# Altium PCB LimeSDR-Micro_M.2_2280_1v1.PcbDoc (part 7 of 7) (continued)
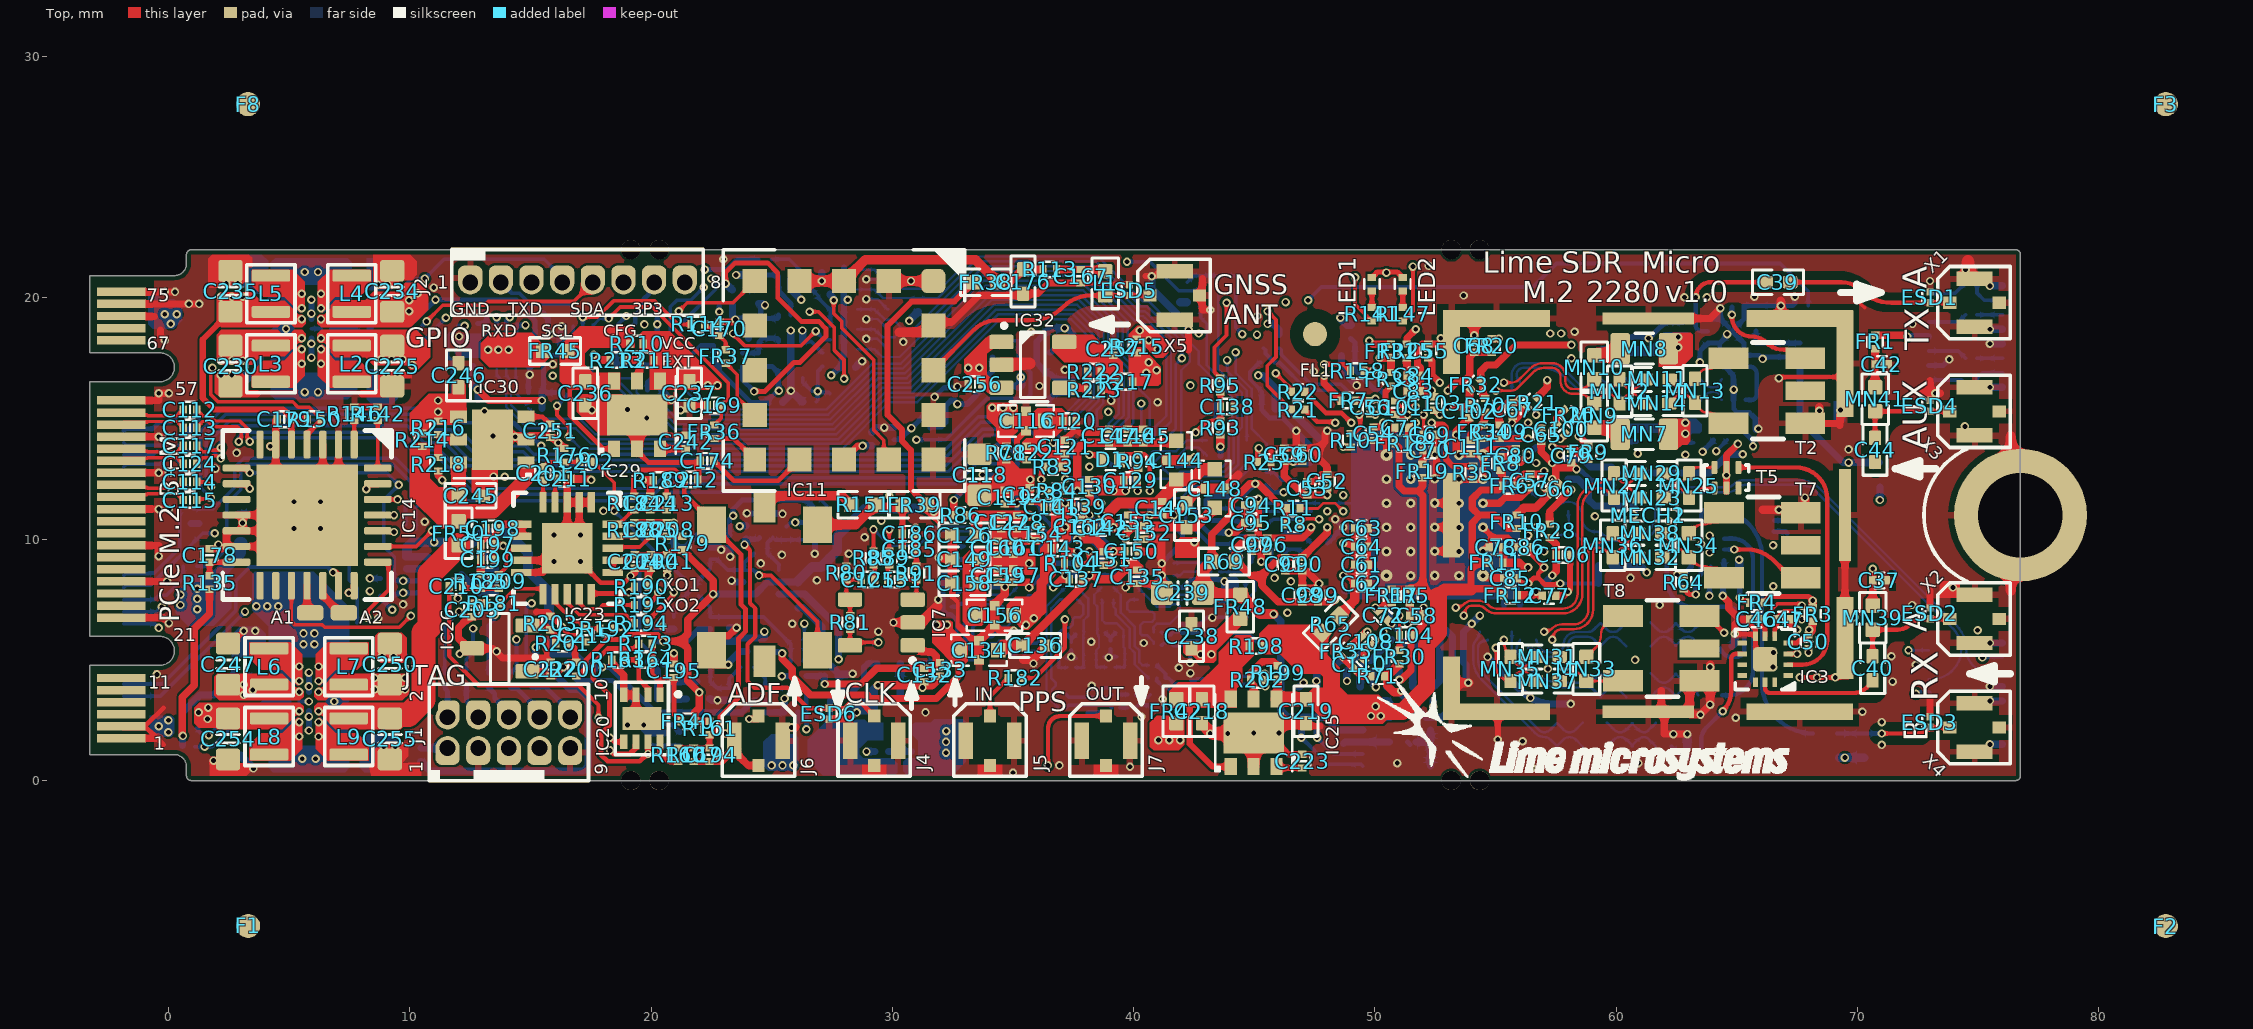
[diagram p0: Top view]
## Other copper (continued)
  pour cut-out: 56.816,2.65 56.935,2.53 ccw(c57.25,2.845) 57.25,2.4 57.56,2.4 57.563,2.403 57.563,1.403 57.25,1.403 cw(c57.25,3.184) 55.991,1.925
  pour cut-out: 59.209,3.45 57.745,3.45 cw(c57.745,5.755) 56.116,4.125 55.815,4.426 cw(c56.839,5.45) 55.391,5.45 55.391,6.375 56.427,6.375 56.427,5.121 56.898,4.65 59.209,4.65
  pour cut-out: 53.771,4.672 ccw(c55.044,4.672) 54.144,3.772 55.991,1.925 ccw(c56.594,2.529) 56.594,1.675 56.816,1.675 56.816,2.65 54.678,4.788 cw(c55.19,5.3) 54.466,5.3 53.771,5.3
  pour cut-out: 55.341,16.075 55.341,16.95 cw(c56.066,16.95) 56.066,17.675 57.302,17.675 cw(c57.302,16.736) 57.966,17.4 ccw(c58.931,18.366) 58.931,17 58.966,17 58.966,15.4 cw(c58.966,16.064) 58.496,15.594 57.386,16.704 ccw(c57.216,16.534) 57.216,16.775 56.841,16.775 ccw(c56.841,16.425) 56.491,16.425 56.491,16.075
  pour cut-out: 57.32,1.024 63.32,1.024 63.32,2.774 57.32,2.774
  pour cut-out: 59.125,3.075 65.125,3.075 65.125,4.825 59.125,4.825
  pour cut-out: 59.125,5.175 65.125,5.175 65.125,7.1 59.125,7.1
  pour cut-out: -3.25,20.925 -3.25,17.725 -0.575,17.725 -0.575,20.925
  pour cut-out: -3.25,16.525 -3.25,5.975 -0.575,5.975 -0.575,16.525
  pour cut-out: -3.25,1.075 -3.25,4.775 -0.575,4.775 -0.575,1.075
  region net GND: 8.125,0.35 9.35,0.35 9.6,0.6 9.6,1.625 9.3,1.925 8.15,1.925 7.939,1.714 7.939,0.536
  region net GND: 9.273,15.593 8.432,15.593 8.225,15.8 8.225,17 8.277,17.052 9.277,17.052 9.453,16.875 9.5,16.875 9.5,15.82
  region net GND: 3.031,20.45 3.238,20.45 3.518,20.17 4.142,20.17 4.142,21.533 3.879,21.796 3.479,21.796 3.031,21.348
  region net GND: 3.811,20.45 2.25,20.45 2.1,20.6 2.1,21.401 2.495,21.796 3.479,21.796 3.811,21.464
  region net GND: 8.225,20.45 8.35,20.325 9.225,20.325 9.425,20.525 9.425,21.525 9.3,21.65 8.225,21.65
  region net GND: 7.35,3.975 7.225,3.85 6.575,3.85 6.525,3.8 6.525,3.2 6.625,3.1 7.315,3.1 7.5,3.285 7.5,3.85 7.375,3.975
  region net GND: 4.4,18.025 4.525,18.15 5.175,18.15 5.225,18.2 5.225,18.8 5.125,18.9 4.5,18.9 4.25,18.65 4.25,18.15 4.375,18.025
  region net GND: 4.406,18.034
  region: 5.125,18.325
  region net GND: 2.625,6.05 2.95,6.375 3.75,6.375 4.042,6.083 4.042,5 3.711,5 3.611,5.1 2.625,5.1
  region net GND: 29.4,2.6 29.25,2.75 28.175,2.75 28.175,3.35 28.575,3.35 29.175,3.95 29.4,3.95
  region: 29.75,2.575
  region net VCC_EXT: 3.475,7.05 4.15,6.375 4.15,5.9 7.5,5.9 7.5,7.175 6.025,8.65 3.575,8.65 3.475,8.55
  region net VCC3P3_M.2: 2.6,7.15 1.875,6.425 0.8,6.425 0.3,6.925 0.3,7.775 1.075,8.55 2.3,8.55 2.6,8.25
  region net VCC3P3_M.2: -0.825,20.175 -0.5,20.175 -0.275,19.95 0.25,19.95 0.575,19.625 0.575,19.075 0.225,18.725 -0.65,18.725 -0.825,18.9
  region net VCC3P3_M.2: -0.775,2.675 0.15,2.675 0.25,2.575 0.25,1.95 0.125,1.825 -0.775,1.825
  region net NetC227_2: 26.5,1.425 26.5,0.85 27.125,0.225 30.1,0.225 30.2,0.325 30.2,0.725 30,0.925 28.8,0.925 28.637,1.088 28.637,1.337 28.55,1.425
  region net VCC1P4_LMS: 31.6,2.4 31.746,2.546 32.936,2.546 33.05,2.432 33.05,0.775 32.5,0.225 30.6,0.225 30.45,0.375 30.45,0.775 30.6,0.925 31.025,0.925 31.075,0.975 31.075,1.65 30.85,1.875 30.85,2.325 30.925,2.4
  region net VCC1P75: 26.1,1.775 25.95,1.925 24.975,1.925 24.65,1.6 24.65,0.6 24.85,0.4 25.975,0.4 26.1,0.525
  region net VCC_EXT: 6.525,2.55 6.525,2.925 6.575,2.975 7.525,2.975 7.775,2.725 7.775,2.15 7.475,1.85 7.225,1.85
  region net VCC_EXT: 7.6,17.725 7.825,17.5 7.825,16.2 7.6,15.975 6.975,16.6 6.975,17.1
  region net VCC_EXT: 5.225,19.45 5.225,19.075 5.175,19.025 4.225,19.025 3.975,19.275 3.975,19.85 4.275,20.15 4.525,20.15
  region net VCC_EXT: 5.125,5 5.225,5.1 5.225,6.05 5.075,6.2 4.325,6.2 4.15,6.025 4.15,4.275 4.475,3.95 5.075,3.95 5.125,4
  region net VCC_EXT: 6.425,5.1 4.825,5.1 4.325,5.6 4.325,6.2 6.425,6.2
  region net NetC227_2: 29.625,1.675 28.975,1.675 28.3,1 26.575,1 26.5,1.075 26.5,1.7 27.325,2.525 28.85,2.525 28.975,2.4 29.625,2.4
  region net VCC1P4_LMS: 31.275,2.05
  region net VCC_EXT: 5.55,6.2 6.575,6.2 6.575,5.725 6.425,5.575 6.425,5.1 5.55,5.1
  region net VCC_EXT: 6.1,0.35 5.075,0.35 5.075,0.825 5.225,0.975 5.225,1.45 6.1,1.45
  region net VCC_EXT: 5.55,0.35 6.575,0.35 6.575,0.825 6.425,0.975 6.425,1.45 5.55,1.45
  region net VCC_EXT: 5.125,1.55 5.225,1.45 5.225,0.5 5.075,0.35 4.325,0.35 4.15,0.525 4.15,2.275 4.475,2.6 5.075,2.6 5.125,2.55
  region net VCC_EXT: 6.525,1.55 6.425,1.45 6.425,0.5 6.575,0.35 7.325,0.35 7.5,0.525 7.5,2.275 7.175,2.6 6.575,2.6 6.525,2.55
  region net VCC_EXT: 6.525,5 6.425,5.1 6.425,6.05 6.575,6.2 7.325,6.2 7.5,6.025 7.5,4.275 7.175,3.95 6.575,3.95 6.525,4
  region net NetIC31_A4: 5.325,4.9 5.225,4.8 5.225,4.025 5.3,3.95 5.425,3.95 5.55,4.075 5.55,4.775 5.425,4.9
  region net NetIC31_F4: 5.325,1.65 5.225,1.75 5.225,2.525 5.3,2.6 5.425,2.6 5.55,2.475 5.55,1.775 5.425,1.65
  region net NetIC31_A2: 6.325,4.9 6.425,4.8 6.425,4.025 6.35,3.95 6.225,3.95 6.1,4.075 6.1,4.775 6.225,4.9
  region net NetIC31_F2: 6.325,1.65 6.425,1.75 6.425,2.525 6.35,2.6 6.225,2.6 6.1,2.475 6.1,1.775 6.225,1.65
  region net VCC_EXT: 6.2,21.65 5.175,21.65 5.175,21.175 5.325,21.025 5.325,20.55 6.2,20.55
  region net VCC_EXT: 5.65,21.65 6.675,21.65 6.675,21.175 6.525,21.025 6.525,20.55 5.65,20.55
  region net VCC_EXT: 5.65,15.8 6.675,15.8 6.675,16.275 6.525,16.425 6.525,16.9 5.65,16.9
  region net VCC_EXT: 6.2,15.8 5.175,15.8 5.175,16.275 5.325,16.425 5.325,16.9 6.2,16.9
  region net VCC_EXT: 5.225,17 5.325,16.9 5.325,15.95 5.175,15.8 4.425,15.8 4.25,15.975 4.25,17.725 4.575,18.05 5.175,18.05 5.225,18
  region net VCC_EXT: 6.625,17 6.525,16.9 6.525,15.95 6.675,15.8 7.425,15.8 7.6,15.975 7.6,17.725 7.275,18.05 6.675,18.05 6.625,18
  region net VCC_EXT: 5.225,20.45 5.325,20.55 5.325,21.5 5.175,21.65 4.425,21.65 4.25,21.475 4.25,19.725 4.575,19.4 5.175,19.4 5.225,19.45
  region net VCC_EXT: 6.625,20.45 6.525,20.55 6.525,21.5 6.675,21.65 7.425,21.65 7.6,21.475 7.6,19.725 7.275,19.4 6.675,19.4 6.625,19.45
  region net NetIC27_F2: 5.425,20.35 5.325,20.25 5.325,19.475 5.4,19.4 5.525,19.4 5.65,19.525 5.65,20.225 5.525,20.35
  region net NetIC27_A2: 5.425,17.1 5.325,17.2 5.325,17.975 5.4,18.05 5.525,18.05 5.65,17.925 5.65,17.225 5.525,17.1
  region net NetIC27_F4: 6.425,20.35 6.525,20.25 6.525,19.475 6.45,19.4 6.325,19.4 6.2,19.525 6.2,20.225 6.325,20.35
  region net NetIC27_A4: 6.425,17.1 6.525,17.2 6.525,17.975 6.45,18.05 6.325,18.05 6.2,17.925 6.2,17.225 6.325,17.1
  region net GND: 12.95,18.525 12.95,17.525 12.05,17.525 11.875,17.7 11.875,18.425 11.975,18.525
  region net GND: 43.641,8.375 43.641,7.95 43.716,7.875 44.241,7.875 44.366,8 44.366,8.325 44.266,8.425 43.691,8.425
  region net VCC1P8_LMS: 62.016,18.575 62.966,18.575 62.991,18.55 62.991,17.9 62.691,17.6 61.521,17.6 61.521,18.08
  region net GND: 69.019,14.898 69.019,15.725 69.491,15.725 69.491,14.898
  pour cut-out: 59.609,15 63.277,15 63.277,18.106 59.609,18.106
  region net VCC1P8_LMS: 62.216,14.8 62.416,15 63.316,15 63.541,14.775 63.541,14.475 63.466,14.4 63.141,14.4 62.941,14.2 62.791,14.2 62.591,14.4 62.391,14.4 62.216,14.575
  region: 44.316,1.7
  region net VCC1P25_LMS: 49.121,2.645 49.291,2.475 50.666,2.475 50.988,2.798 50.491,3.295 49.361,3.295 49.121,3.055

## Silkscreen, mask and mechanical layers (free items; w line width, h text height)
TopOverlay:
  drawing of 2361 lines, arcs and shapes, not listed
  text "Lime" at 54.475,20.75 h1.5
  text "SDR" at 57.75,20.75 h1.5
  text "Micro" at 61.05,20.75 h1.5
  text "A" at 72.875,20.375 h1 r90
  text "GNSS" at 43.311,20.15 h0.8
  text "75" at -0.9,19.85 h0.55
  text "M.2" at 56.1,19.525 h1.5
  text "2280" at 58.75,19.525 h1.5
  text "v1.0" at 62.025,19.525 h1.5
  text "GND" at 11.75,19.3 h0.5
  text "TXD" at 14.075,19.3 h0.5
  text "SDA" at 16.65,19.3 h0.5
  text "3P3" at 19.225,19.3 h0.5
  text "ANT" at 43.725,18.9 h0.8
  text "RXD" at 12.975,18.4 h0.5
  text "SCL" at 15.45,18.4 h0.5
  text "CFG" at 18.025,18.4 h0.5
  text "GPIO" at 9.825,17.95 h0.8
  text "VCC" at 20.425,17.875 h0.5
  text "67" at -0.9,17.85 h0.55
  text "TX" at 72.95,17.825 h1 r90
  text "EXT" at 20.45,17.1 h0.5
  text "57" at 0.275,15.975 h0.55
  text "AUX" at 72.875,13.725 h1 r90
  text "PCIe M.2 B+M" at 0.45,6.55 h0.8 r90
  text "A1" at 4.25,6.5 h0.55
  text "A2" at 7.9,6.5 h0.55
  text "A" at 72.875,6.15 h1 r90
  text "21" at 0.2,5.775 h0.55
  text "JTAG" at 9.75,3.975 h0.8
  text "11" at -0.825,3.8 h0.55
  text "OUT" at 38.025,3.325 h0.55
  text "IN" at 33.425,3.3 h0.55
  text "RX" at 73.325,3.275 h1.1 r90
  text "ADF" at 23.175,3.225 h0.8
  text "CLK" at 28.025,3.225 h0.8
  text "PPS" at 35.225,2.875 h0.8
  text "B" at 72.9,1.6 h1 r90
  text "1" at -0.6,1.275 h0.55
BottomOverlay:
  drawing of 2335 lines, arcs and shapes, not listed
  text "GND" at 10.8,21.225 h0.5
  text "RXD" at 12.45,21.225 h0.5
  text "TXD" at 14.125,21.225 h0.5
  text "SCL" at 15.675,21.225 h0.5
  text "SDA" at 17.3,21.225 h0.5
  text "CFG" at 18.867,21.225 h0.5
  text "3P3" at 22.475,21.225 h0.5
  text "EXT" at 24.2,21.225 h0.5
  text "1" at 11.955,20.32 h0.55
  text "8" at 22.675,20.325 h0.55
  text "74" at 0.65,20.05 h0.55
  text "GPIO" at 12.275,19.025 h0.8
  text "68" at 0.65,17.8 h0.55
  text "EXT" at 71.35,17.225 h0.8 r270
  text "LMS7002M" at 55.325,17.175 h0.7
  text "58" at 1.325,16.05 h0.55
  text "Micro" at 6.125,13.55 h1.5
  text "SDR" at 9.425,13.55 h1.5
  text "Lime" at 12.7,13.55 h1.5
  text "v1.0" at 5.15,12.325 h1.5
  text "2280" at 8.425,12.325 h1.5
  text "M.2" at 11.075,12.325 h1.5
  text "PCIe M.2 B+M" at -0.775,6.575 h0.8 r270
  text "20" at 1.275,5.75 h0.55
  text "JTAG" at 15.4,4.675 h0.8
  text "BB" at 71.3,3.975 h0.8 r270
  text "10" at 0.55,3.95 h0.55
  text "JTAG" at 37,2.375 h0.7
  text "2" at 10.155,2.22 h0.55
  text "10" at 18.68,2.22 h0.55
  text "TCK" at 35.912,1.35 h0.5
  text "TMS" at 37.563,1.35 h0.5
  text "TDO" at 39.312,1.35 h0.5
  text "TDI" at 40.938,1.35 h0.5
  text "RST" at 42.562,1.35 h0.5
  text "TX2" at 71.3,1.325 h0.8 r270
  text "2" at 0.1,1.125 h0.55
  text "1" at 10.03,0.92 h0.55
  text "9" at 18.455,0.92 h0.55
  text "1P8" at 35.862,0.475 h0.5
  text "GND" at 37.487,0.45 h0.5
  text "GND" at 39.312,0.45 h0.5
  text "NC" at 40.562,0.45 h0.5
  text "GND" at 42.562,0.425 h0.5
Mechanical1:
  drawing of 2595 lines, arcs and shapes, not listed
  text "LimeSDR-Micro M.2 2280 v1.0" at 246.425,288.375 h7
  text "CONTROLLED IMPEDANCE" at 106.525,274.875 h3
  text "STACKUP AND LAYER DESCRIPTION" at 235.525,274.875 h3
  text "GENERAL PARAMETERS" at 120.425,268.375 h1.7
  text "Parameter" at 142.425,264.6 h1.5
  text "Layer/Layers" at 187.925,264.375 h1.5
  text "Value" at 217.925,264.375 h1.5
  text "Top" at 182.925,259.575 h1.5
  text "17.5um" at 210.225,259.575 h1.5
  text "Copper foil thickness" at 107.425,259.375 h1.5
  text "102um (4 mils)" at 209.525,254.975 h1.5
  text "Dielectric thickness between layers" at 107.425,254.375 h1.5
  text "4.2" at 210.425,249.575 h1.5
  text "Dielectric permittivity between layers (Er)" at 107.425,249.375 h1.5
  text "Top-L2" at 182.925,248.375 h1.5
  text "Via type #2" at 327.3,247.33 h1.52
  text "Via type #1" at 357.2,247.305 h1.52
  text "17.5um" at 210.225,244.575 h1.5
  text "Copper foil thickness" at 107.425,244.375 h1.5
  text "Micro via" at 329.475,243.4 h1.52
  text "Bottom" at 182.925,243.375 h1.5
  text "Blind via" at 350.725,243.375 h1.52
  text "TH via" at 368.975,243.125 h1.52
  text "GERBER LAYER NAMES:" at 242.575,241.725 h1.52
  text "L7-Bot" at 331.425,240.325 h1.52
  text "L5-Bot" at 352.425,240.3 h1.52
  text "Top-Bot" at 368.425,240.05 h1.52
  text "102um (4 mils)" at 209.525,239.975 h1.5
  text "Dielectric thickness between layers" at 107.425,239.375 h1.5
  text "GTP" at 243.675,238.175 h1.52
  text "Top solder paste" at 248.775,237.825 h1
  text "GTO" at 243.675,235.1 h1.52
  text "Silkscreen" at 248.675,234.875 h1
  text "4.2" at 210.425,234.575 h1.5
  text "Dielectric permittivity between layers (Er)" at 107.425,234.375 h1.5
  text "ELECTRICAL LAYERS:" at 382.975,233.625 h1.52
  text "Bottom-L7" at 182.925,233.475 h1.5
  text "GTS" at 243.675,232.425 h1.52
  text "Soldermask (halogen free)" at 248.675,231.125 h1
  text "Top: RF/Signal/PWR/GND" at 383.65,230.15 h1.52
  text "GTL" at 243.675,229.925 h1.52
  text "0.5oz+plating" at 248.675,229.425 h1
  text "IT180A: 3313" at 297.137,227.275 h1.2
  text "4mil (102um)" at 279.837,227.25 h1
  text "PP" at 270.975,227.125 h1
  text "CALCULATIONS" at 106.425,226.875 h1.7
  text "G1" at 243.675,225.425 h1.52
  text "1oz (35um)" at 248.675,225.225 h1
  text "L2: GND" at 383.675,225.125 h1.52
  text "IT180A: 1078" at 297.125,222.8 h1.2
  text "3mil (80um)" at 279.825,222.775 h1
  text "CORE" at 270.975,222.625 h1
  text "Target impedance" at 113.425,221.875 h1.5
  text "Single-ended" at 182.925,221.875 h1.5
  text "50R" at 209.425,221.875 h1.5
  text "G2" at 243.675,220.925 h1.52
  text "1oz (35um)" at 248.675,220.725 h1
  text "L3: Signal/PWR/GND" at 383.675,220.625 h1.52
  text "IT180A: 1078" at 297.125,218.3 h1.2
  text "3mil (80um)" at 279.825,218.275 h1
  text "PP" at 270.975,218.125 h1
  text "Additional comments" at 113.425,216.875 h1.5
  text "Top layer, no side GND plane" at 182.925,216.875 h1.5
  text "G3" at 243.675,216.425 h1.52
  text "1oz (35um)" at 248.675,216.225 h1
  text "L4: Signal/PWR/GND" at 383.675,216.125 h1.52
  text "IT180A: 3313" at 297.125,213.775 h1.2
  text "4mil (102um)" at 279.825,213.75 h1
  text "CORE" at 270.975,213.625 h1
  text "G4" at 243.662,211.925 h1.52
  text "Top layer copper foil thickness" at 113.425,211.875 h1.5
  text "17.5um" at 182.925,211.875 h1.5
  text "1oz (35um)" at 248.675,211.725 h1
  text "1oz (35um)" at 248.662,211.7 h1
  text "L5: GND" at 383.775,211.625 h1.52
  text "IT180A: 1078" at 297.125,209.3 h1.2
  text "3mil (80um)" at 279.825,209.275 h1
  text "PP" at 270.962,209.125 h1
  text "G5" at 243.662,207.45 h1.52
  text "1oz (35um)" at 248.662,207.25 h1
  text "L6: CLK/PWR/GND" at 383.662,207.15 h1.52
  text "Track width" at 113.425,206.875 h1.5
  text "0.18mm" at 182.925,206.875 h1.5
  text "IT180A: 1078" at 297.112,204.825 h1.2
  text "3mil (80um)" at 279.812,204.8 h1
  text "CORE" at 270.962,204.65 h1
  text "G6" at 243.65,202.95 h1.52
  text "1oz (35um)" at 248.662,202.75 h1
  text "1oz (35um)" at 248.65,202.725 h1
  text "L7: GND" at 383.763,202.65 h1.52
  text ">3h" at 182.925,201.975 h1.5
  text "Distance to reference plane" at 113.425,201.875 h1.5
  text "IT180A: 3313" at 297.112,200.325 h1.2
  text "4mil (102um)" at 279.812,200.3 h1
  text "PP" at 270.95,200.15 h1
  text "102um (4 mils)" at 209.525,198.475 h1.5
  text "GBL" at 243.65,198.475 h1.52
  text "Bottom: RF/Signal/PWR/GND" at 383.7,198.45 h1.52
  text "0.5oz+plating" at 248.65,197.975 h1
  text "Dielectric thickness between layers" at 113.425,197.875 h1.5
  text "GBS" at 243.65,195.975 h1.52
  text "Soldermask (halogen free)" at 248.65,194.775 h1
  text "ADDITIONAL LAYERS:" at 385.95,194.175 h1.52
  text "GBO" at 243.65,193.375 h1.52
  text "Silkscreen" at 248.65,193.175 h1
  text "4.2" at 210.425,193.075 h1.5
  text "Dielectric permittivity between layers (Er)" at 113.425,191.875 h1.5
  text "Top-L2" at 182.925,191.875 h1.5
  text "GBP" at 243.65,190.4 h1.52
  text "Bottom solder paste" at 248.65,190.2 h1
  text "Mechanical 1: Board cutout" at 388.65,189.975 h1.52
  text "Total PCB thicknes: 0.8mm +/- 10%" at 267.25,187.675 h1.52
  text "50 Ohms (+/- 10% tolerance)" at 182.925,186.975 h1.5
  text "ASM TOP: Assembly top" at 388.65,186.975 h1.52
  text "RF (Top)" at 112.925,186.875 h2 r90
  text "Approximate microstrip line impedance" at 113.425,186.875 h1.5
  text "0.2mm drill / 0.35mm ring" at 350.025,185.33 h1.2
  text "0.2mm drill / 0.35mm ring" at 366.875,185.28 h1.2
  text "ASM BOT: Assembly bottom" at 388.65,183.975 h1.52
  text "TH via type must be resin filled with metal cap" at 315.7,182.08 h1.52
  text "Target impedance" at 113.425,181.875 h1.5
  text "Differential" at 182.925,181.875 h1.5
  text "100R" at 209.425,181.875 h1.5
  text "Mechanical 13: Component 3D body" at 388.65,180.975 h1.52
  text "Notes: Board shape and frame" at 388.725,178.05 h1.52
  text "Additional comments" at 113.425,176.875 h1.5
  text "Top layer, no side GND plane" at 182.925,176.875 h1.5
  text "Blind and micro via type can be coated with copper" at 315.8,176.105 h1.52
  text "Top layer copper foil thickness" at 113.425,171.875 h1.5
  text "17.5um" at 182.925,171.875 h1.5
  text "Track width" at 113.425,166.875 h1.5
  text "0.1 mm (3.93 mils)" at 182.925,166.875 h1.5
  text "Track spacing" at 113.425,161.875 h1.5
  text "0.1 mm (3.93 mils)" at 182.925,161.875 h1.5
  text ">3h" at 182.925,156.975 h1.5
  text "Distance to reference plane" at 113.425,156.875 h1.5
  text "102um (4 mils)" at 209.525,153.475 h1.5
  text "Dielectric thickness between layers" at 113.425,152.875 h1.5
  text "4.2" at 210.425,148.075 h1.5
  text "Dielectric permittivity between layers (Er)" at 113.425,146.875 h1.5
  text "Top-L2" at 182.925,146.875 h1.5
  text "100 Ohms (+/- 10% tolerance)" at 182.925,141.975 h1.5
  text "RF (Top)" at 112.925,141.875 h2 r90
  text "Approximate microstrip line impedance" at 113.425,141.875 h1.5
  text "Target impedance" at 113.425,136.875 h1.5
  text "Single-ended" at 182.925,136.875 h1.5
  text "50R" at 209.425,136.875 h1.5
  text "Additional comments" at 113.425,131.875 h1.5
  text "Bottom layer, no side GND plane" at 182.925,131.875 h1.5
  text "Top layer copper foil thickness" at 113.425,126.875 h1.5
  text "17.5 um" at 182.925,126.875 h1.5
  text "VERY IMPORTANT NOTES" at 235.525,123.675 h3
  text "Track width" at 113.425,121.875 h1.5
  text "0.18mm" at 182.925,121.875 h1.5
  text "GENERAL PCB SPECS" at 235.525,117.175 h1.7
  text "ADDITIONAL REQUIREMENTS" at 344.525,117.175 h1.7
  text ">3h" at 182.925,116.975 h1.5
  text "Distance to reference plane" at 113.425,116.875 h1.5
  text "102um (4 mils)" at 209.525,113.475 h1.5
  text "Dielectric thickness between layers" at 113.425,112.875 h1.5
  text "Minimum copper to copper spacing" at 236.425,112.175 h1.5
  text "0.1mm (3.9mil)" at 291.925,112.175 h1.5
  text "4.2" at 210.425,108.075 h1.5
  text "Minimum track width" at 236.425,107.175 h1.5
  text "0.1mm (3.9mil)" at 291.925,107.175 h1.5
  text "All 0.2mm vias including 0.35mm ring and 0.2mm drill via-in-pads (IC1 and IC6) must be resin filled with metal cap." at 349.375,107.175 h1.5
  text "Dielectric permittivity between layers (Er)" at 113.425,106.875 h1.5
  text "Bottom-L7" at 182.925,106.875 h1.5
  text "PCB thickness" at 236.425,102.175 h1.5
  text "0.8mm +/-10%" at 291.925,102.175 h1.5
  text "49.99 Ohms (+/- 10% tolerance)" at 182.925,101.975 h1.5
  text "RF (Bottom)" at 112.925,101.875 h2 r90
  text "Approximate microstrip line impedance" at 113.425,101.875 h1.5
  text "Target impedance" at 113.425,96.875 h1.5
  text "Differential" at 182.925,96.875 h1.5
  text "85R" at 209.425,96.875 h1.5
  text "PCB material" at 236.425,92.175 h1.5
  text "IT-180A preferred or equivalent RF-rated material (up to 3 GHz or higher)" at 292.925,92.075 h1.5
  text "Additional comments" at 113.425,91.875 h1.5
  text "Top/Bottom layers, no side GND" at 182.925,91.875 h1.5
  text "IC1 thermal pad vias with 0.4mm ring and 0.2mm drill must be resin filled with metal cap. IC1 thermal pad vias  with 0.5mm ring and 0.2mm drill must be left open (NO resin fill with metal cap). 4 vias in total, marked with note." at 349.375,91.175 h1.5
  text "External layer" at 291.925,87.175 h1.5
  text "0.5 oz+plating" at 318.525,87.175 h1.5
  text "Top layer copper foil thickness" at 113.425,86.875 h1.5
  text "17.5 um" at 182.925,86.875 h1.5
  text "Copper weight" at 236.425,82.375 h1.5
  text "Internal layer" at 291.925,82.175 h1.5
  text "1 oz" at 318.425,82.175 h1.5
  text "Track width" at 113.425,81.875 h1.5
  text "0.14 mm (5.5 mils)" at 182.925,81.875 h1.5
  text "DARK BLUE" at 291.925,77.175 h1.5
  text "Electrical test : 100 % netlist." at 349.375,77.175 h1.5
  text "Track spacing" at 113.425,76.875 h1.5
  text "0.1 mm (3.93 mils)" at 182.925,76.875 h1.5
  text "Both sides" at 291.925,72.175 h1.5
  text ">3h" at 182.925,71.975 h1.5
  text "Distance to reference plane" at 113.425,71.875 h1.5
  text "173um (6.8 mils)" at 209.525,68.475 h1.5
  text "Dielectric thickness between layers" at 113.425,67.875 h1.5
  text "With halogen or halogen free" at 291.925,67.175 h1.5
  text "Boards are to be individually bagged." at 349.375,67.175 h1.5
  text "4.2" at 210.425,63.075 h1.5
  text "Solder mask" at 236.425,62.175 h1.5
  text "Glossy finish (NOT matte)" at 291.925,62.175 h1.5
  text "Dielectric permittivity between layers (Er)" at 113.425,61.875 h1.5
  text "Top-L2 / Bottom-L7" at 182.925,61.875 h1.5
  text "White epoxy ink" at 291.925,57.175 h1.5
  text "PCB vendor to silkscreen UL and RoHS compliance marks, vendor logo and date code on bottom where shown (ignore if none of the info will be placed on PCB)" at 349.375,57.175 h1.5
  text "PCIe REQUIREMENTS #2 AND #3" at 13.3,56.975 h0.7
  text "85 Ohms (+/- 10% tolerance)" at 182.925,56.975 h1.5
  text "PCIe (Top and Bottom)" at 112.925,56.875 h2 r90
  text "Approximate microstrip line impedance" at 113.425,56.875 h1.5
  text "PCI connector / edge chamfer" at -1.95,56.725 h0.7
  text "Both sides" at 291.925,52.175 h1.5
  text "2x20 (+/-5%) / degrees" at -8.325,47.6 h0.7
  text "With halogen or halogen free" at 291.925,47.175 h1.5
  text "Assembly note: Assembly house MUST provide notes in paper with shipped board if there were any changes during assembly and the board is not assembled 100% according to BOM and P&P files. Note example:" at 349.375,44.175 h1.5
  text "Silkscreen" at 236.425,42.175 h1.5
  text "No silkscreen on pads" at 291.925,42.175 h1.5
  text "2x 0.3mm (+/-0.25mm)" at -9.75,42.05 h0.7
  text "0.2 mm min" at 6.525,41.45 h0.7
  text "Comment" at 410.125,40.125 h1.5
  text "Part" at 350.725,38.875 h1.5
  text "Initial BOM asm. note" at 359.125,38.875 h1.5
  text "Current PCB status" at 377.125,38.875 h1.5
  text "0.8mm (+/-10%)" at -2.975,38.675 h0.7
  text "Plated" at 291.925,37.175 h1.5
  text "Non-plated" at 318.425,37.175 h1.5
  text "PCIe REQUIREMENT #1" at -7.425,36.425 h0.7
  text "R1" at 351.975,33.875 h1.5
  text "FIT" at 365.225,33.875 h1.5
  text "NF" at 383.475,33.875 h1.5
  text "Not mounted due to bad footprint" at 394.725,33.375 h1.5
  text "IC5" at 351.475,30.875 h1.5
  text "FIT" at 365.225,30.875 h1.5
  text "NF" at 383.475,30.375 h1.5
  text "Not mounted due to part shortage" at 394.725,29.875 h1.5
  text "Hole types on the PCB and information" at 236.425,27.175 h1.5
  text "Hole diameters are final manufactured diameters INCLUDING HOLE METALIZATION." at 296.125,27.175 h1.5
  text "V-score" at 292.675,22.175 h1.5
  text "Tab route" at 318.425,22.175 h1.5
  text "M key" at -2.65,18.55 h0.7
  text "Route process" at 236.425,17.175 h1.5
  text "V-score and tab route" at 292.675,17.175 h1.5
  text "PCIe REQUIREMENT #1: PCI EXPRESS pads (top and bottom) - 30 micro inches of gold over 50 micro inches nickel plating" at 349.375,17.15 h1.5
  text "Panel" at 236.325,12.175 h1.5
  text "Yes" at 292.675,12.175 h1.5
  text "No" at 318.425,12.175 h1.5
  text "HASL lead free" at 292.675,7.175 h1.5
  text "PCIe REQUIREMENT #2: Board edge below PCI pads must be chamfered (as shown). Edges must be free of cutting burrs" at 349.375,7.15 h1.5
  text "B key" at -2.725,2.225 h0.7
  text "HASL with lead" at 292.675,2.175 h1.5
  text "Immersion gold" at 292.675,-2.825 h1.5
  text "PCIe REQUIREMENT #3: PCIe finger leader lines are acceptable" at 349.375,-2.85 h1.5
  text "0.05-0.10um of gold over / 2.50-5.00um of nickel" at 314.075,-2.925 h1
  text "OSP" at 292.675,-7.825 h1.5
  text "Blind vias can be coated with copper" at 349.375,-12.85 h1.5
  text "PCIe fingers" at 309.45,-13.095 h1
  text "Surface finish (both sides)" at 236.225,-13.125 h1.5
  text "Hard gold" at 292.675,-13.125 h1.5
Notes:
  lines w0.15: 18.251,0 18.251,-3.025 -3.25,-3.025 -3.25,-13.18 89.925,-13.18 89.925,35.18 -3.25,35.18 -3.25,25.025 18.251,25.025 18.251,22 ; 21.249,0 21.249,-3.025 52.251,-3.025 52.251,0 ; 21.249,22 21.249,25.025 52.251,25.025 52.251,22 ; 55.249,0 55.249,-3.025 79.775,-3.025 79.775,25.025 55.249,25.025 55.249,22 ; -3.25,1.075 -3.25,4.775 -0.35,4.775 ccw(c-0.35,5.375) -0.35,5.975 -3.25,5.975 -3.25,16.525 -0.35,16.525 ccw(c-0.35,17.125) -0.35,17.725 -3.25,17.725 -3.25,20.925 0.25,20.925 ccw(c0.25,21.425) 0.75,21.425 0.75,21.8 cw(c0.95,21.8) 0.95,22 76.55,22 cw(c76.55,21.8) 76.75,21.8 76.75,11 76.75,0.2 cw(c76.55,0.2) 76.55,0 0.95,0 cw(c0.95,0.2) 0.75,0.2 0.75,0.575 ccw(c0.25,0.575) 0.25,1.075 -3.25,1.075
ASM BOT:
  lines w0.1: 26.3,19.025 27.175,19.425 ; 26.475,20.725 27.15,20.15 ; 26.575,18.075 27.43,18.545 ; 26.675,17.225 27.114,17.44
  lines w0.15: -3.25,1.075 0.25,1.075 cw(c0.25,0.575) 0.75,0.575 0.75,0.2 ccw(c0.95,0.2) 0.95,0 76.55,0 ccw(c76.55,0.2) 76.75,0.2 76.75,11 76.75,21.8 ccw(c76.55,21.8) 76.55,22 0.95,22 ccw(c0.95,21.8) 0.75,21.8 0.75,21.425 cw(c0.25,21.425) 0.25,20.925 -3.25,20.925 -3.25,17.725 -0.35,17.725 cw(c-0.35,17.125) -0.35,16.525 -3.25,16.525 -3.25,5.975 -0.35,5.975 cw(c-0.35,5.375) -0.35,4.775 -3.25,4.775 -3.25,1.075
  text "Assembly bottom" at 47.225,23 h1.25
ASM TOP:
  text "Assembly top" at 31.35,23 h1.25

## Dimensions
-3.25,-13.509 to 0.75,0.2 on Mechanical1
-0.35,4.775 to 0.25,1.075 on Mechanical1
-0.35,17.725 to -0.35,16.525 on Mechanical1
-0.35,16.525 to -0.35,5.975 on Mechanical1
0.25,20.925 to 0.4,17.725 on Mechanical1
-0.35,5.975 to -0.35,4.775 on Mechanical1
-0.35,5.375 to 3.465,9.19 on Mechanical1
76.75,11 to 73.375,8.55 on Mechanical1
76.55,22 to 76.55,0 on Mechanical1
89.925,35.18 to 89.925,-13.18 on Mechanical1
-3.25,-13.509 to 76.75,0.2 on Mechanical1
-3.25,-13.18 to 89.925,-13.18 on Mechanical1

## Text inside footprints (layer, text, board x,y; h text height)
D1: ASM TOP "A" at 39.341,13.15 h0.3; ASM TOP "C" at 38.591,13.15 h0.3
IC1: ASM BOT "Pad size = 0.35mm / Pad paste mask = 0.35mm / No AM2 pad" at 58.366,7.775 h0.4; ASM BOT "Footprint revision: r5" at 55.166,7.05 h0.4; ASM BOT "1) paste/pad ratio ~60% / 2) 4 thermal pad vias  / without metal cap / 3) all other thermal pad  / vias with metal cap" at 56.841,12.7 h0.4; Mechanical7 "0.2mm/0.5mm hole/ring vias under   / pad to be left open (no metal cap)" at 59.28,4.2 h0.35
IC6: ASM BOT "12" at 39.517,13.625 h0.3; ASM BOT "8" at 37.617,13.625 h0.3; ASM BOT "4" at 35.816,13.625 h0.3; ASM BOT "15" at 40.866,14.425 h0.3; ASM BOT "13" at 39.917,14.425 h0.3; ASM BOT "14" at 40.617,13.625 h0.3; ASM BOT "10" at 38.566,13.625 h0.3; ASM BOT "6" at 36.617,13.625 h0.3; ASM BOT "2" at 34.991,13.625 h0.3; ASM BOT "11" at 39.017,14.425 h0.3; ASM BOT "9" at 38.117,14.425 h0.3; ASM BOT "7" at 37.117,14.425 h0.3; ASM BOT "5" at 36.117,14.425 h0.3; ASM BOT "3" at 35.341,14.425 h0.3; ASM BOT "1" at 34.466,7.725 h0.3; ASM BOT "D" at 41.162,8.73 h0.3; ASM BOT "H" at 41.162,10.73 h0.3; ASM BOT "M" at 41.162,12.73 h0.3; ASM BOT "A" at 35.041,7.25 h0.3; ASM BOT "B" at 41.162,7.73 h0.3; ASM BOT "C" at 41.862,8.33 h0.3; ASM BOT "G" at 41.862,10.33 h0.3; ASM BOT "F" at 41.162,9.73 h0.3; ASM BOT "E" at 41.862,9.33 h0.3; ASM BOT "L" at 41.862,12.33 h0.3; ASM BOT "K" at 41.162,11.73 h0.3; ASM BOT "J" at 41.862,11.33 h0.3; ASM BOT "N" at 41.862,13.33 h0.3; ASM BOT "P" at 41.162,13.73 h0.3; ASM BOT "R" at 41.862,14.33 h0.3; BottomOverlay "R" at 33.55,14.425 h0.5; BottomOverlay "A" at 33.7,7.475 h0.5; BottomOverlay "1" at 34.2,6.25 h0.5 r270; BottomOverlay "15" at 42.315,15.625 h0.5
J1: ASM TOP "10" at 16.21,2.56 h0.25; ASM TOP "9" at 16.51,1.035 h0.25; ASM TOP "1" at 11.485,1.06 h0.25; ASM TOP "2" at 11.41,2.335 h0.25; TopOverlay "10" at 18.2,3.275 h0.55 r90; TopOverlay "9" at 18.2,0.25 h0.55 r90; TopOverlay "2" at 10.55,3.275 h0.55 r90; TopOverlay "1" at 10.55,0.325 h0.55 r90
J2: ASM TOP "1" at 12.425,20.35 h0.25; ASM TOP "8" at 21.25,20.375 h0.25; TopOverlay "1" at 11.15,20.375 h0.55; TopOverlay "8" at 22.45,20.375 h0.55
J4: ASM TOP "in" at 28.95,2.375 h0.3
J5: ASM TOP "in" at 33.75,2.375 h0.3
J6: ASM TOP "in" at 24.15,2.375 h0.3
J7: ASM TOP "in" at 38.55,2.375 h0.3
MECH1: ASM TOP "Shield Cover" at 53.15,2.875 h0.55
MECH2: ASM TOP "Shield Frame" at 63.166,18.725 h0.3
T2: Mechanical13 "NC" at 69.041,16.35 h0.2 r270; Mechanical13 "Sec" at 69.041,15.15 h0.2 r270; Mechanical13 "Sec*" at 69.041,17.85 h0.2 r270; Mechanical13 "Pri" at 63.241,15.05 h0.2 r270; Mechanical13 "Pri*" at 63.241,17.85 h0.2 r270
T7: Mechanical13 "Pri*" at 63.054,11.45 h0.2 r270; Mechanical13 "Pri" at 63.054,8.65 h0.2 r270; Mechanical13 "Sec*" at 68.854,11.45 h0.2 r270; Mechanical13 "Sec" at 68.854,8.75 h0.2 r270; Mechanical13 "NC" at 68.854,9.95 h0.2 r270
T8: Mechanical13 "NC" at 64.666,5.675 h0.2 r270; Mechanical13 "Sec" at 64.666,4.475 h0.2 r270; Mechanical13 "Sec*" at 64.666,7.175 h0.2 r270; Mechanical13 "Pri" at 58.866,4.375 h0.2 r270; Mechanical13 "Pri*" at 58.866,7.175 h0.2 r270
VT1: ASM BOT "S" at 36.566,15.75 h0.3; ASM BOT "D" at 35.266,16.25 h0.3; ASM BOT "G" at 36.566,16.75 h0.3
VT2: ASM BOT "S" at 36.566,17.625 h0.3; ASM BOT "D" at 35.266,18.125 h0.3; ASM BOT "G" at 36.566,18.625 h0.3
X1: ASM TOP "in" at 74.125,19.5 h0.3 r90
X2: ASM TOP "in" at 74.125,6.4 h0.3 r90
X3: ASM TOP "in" at 74.125,15 h0.3 r90
X4: ASM TOP "in" at 74.125,1.9 h0.3 r90
X5: ASM TOP "in" at 40.975,19.8 h0.3 r90
X8: ASM BOT "Connector input" at 76.05,1.4 h0.3 r270
X13: ASM BOT "Connector input" at 76.05,16.325 h0.3 r270